# Allegro board pc053c_toplevel_01.brd (continued)
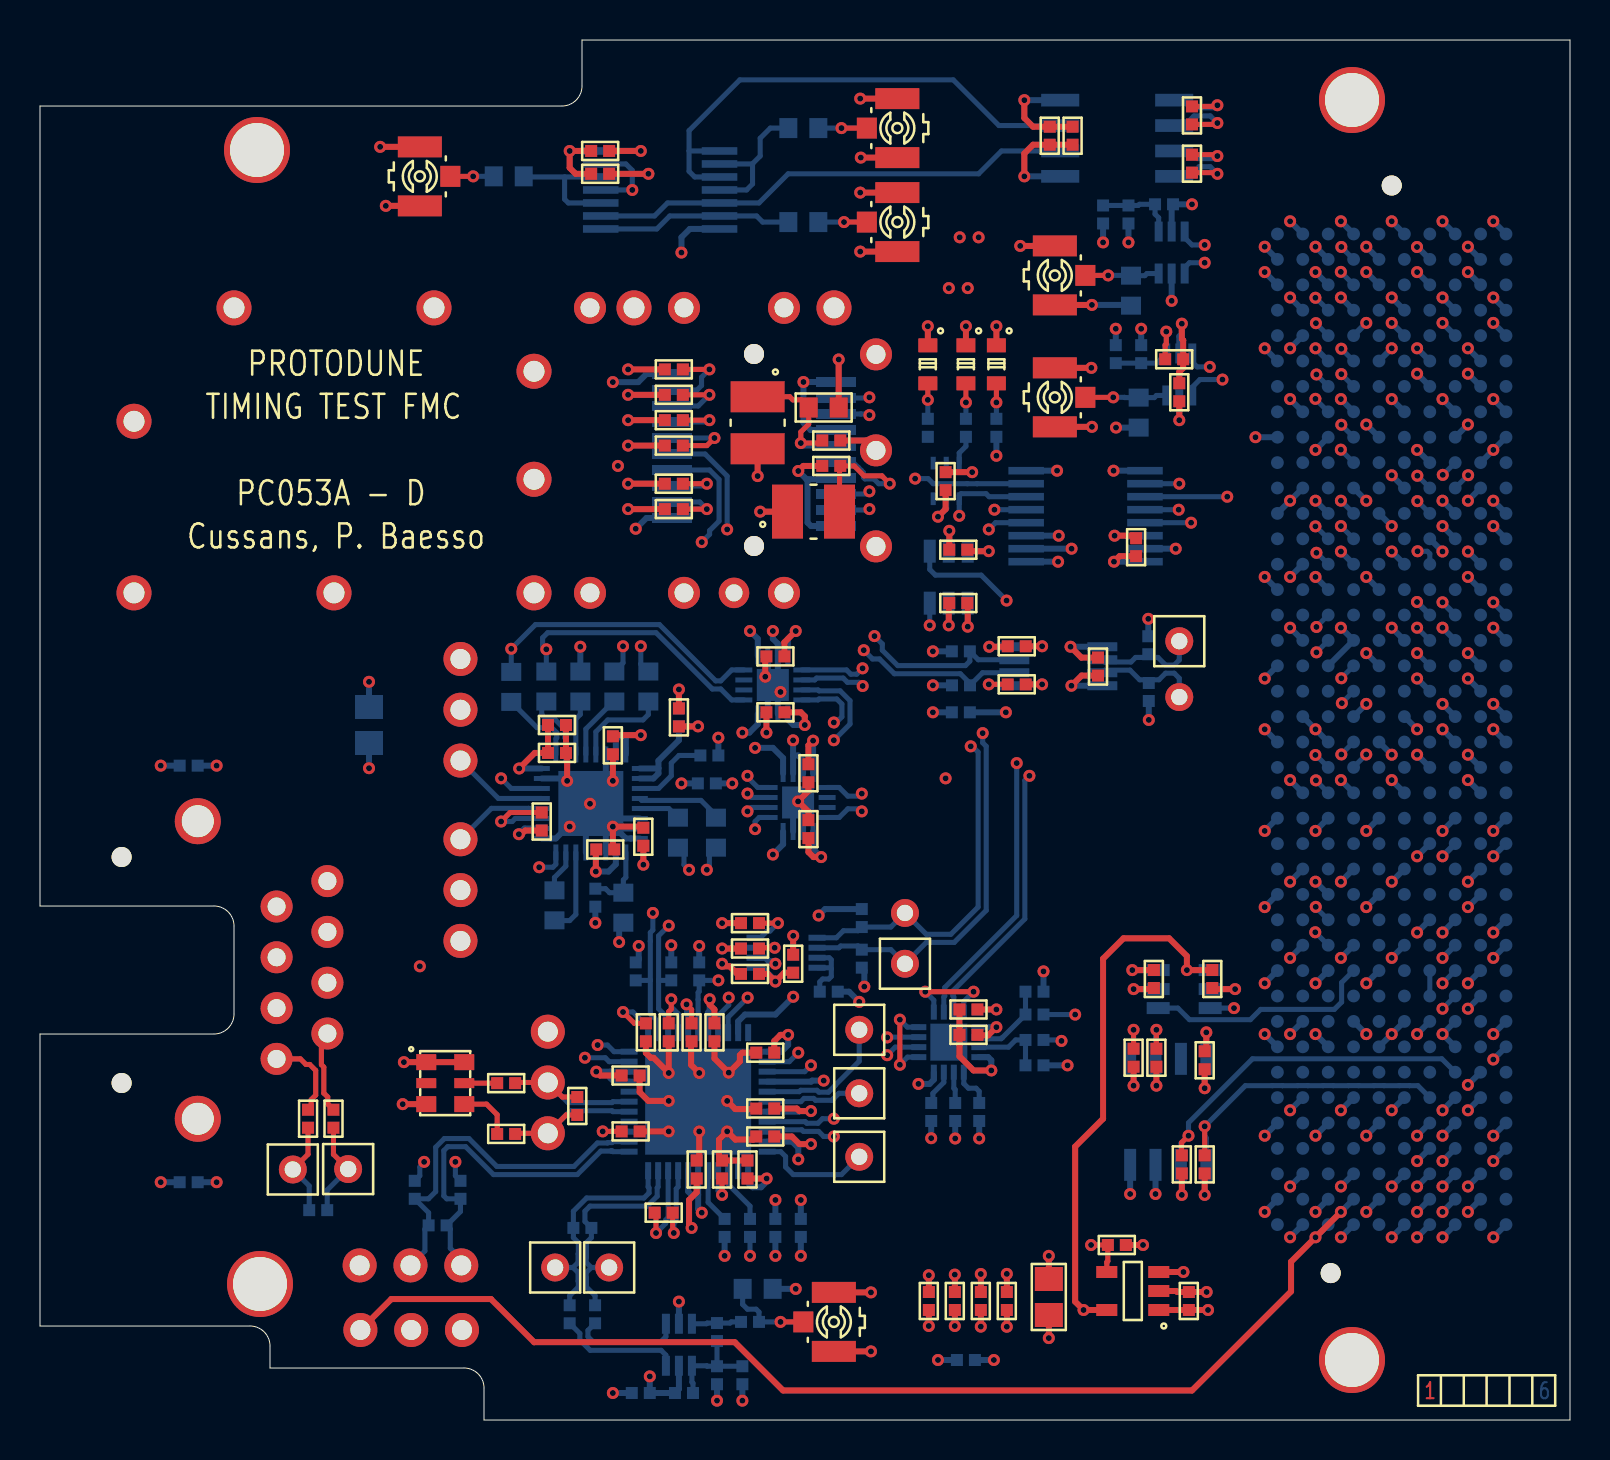
[diagram p0: board, top side]
## Routing (per net, layer and track width the routed paths; a pad name or vN(x,y) marks a point on that pad's centre or on a via; arc(x,y) is an arc through that point) (continued)
CLK_IN0_N: length 11.4
  BOTTOM w0.254: C26.2 26.48,6.22 26.92,6.65 26.92,6.94 26.9,6.95 26.9,7.37 26.65,7.62 ; 26.65,7.62 TP8.1 ; 26.65,7.62 26.9,7.88 26.9,8.3 26.92,8.31 26.92,8.87 26.67,9.12 R9.2 26.67,10.44 27.33,11.1 30.2,11.1 30.45,11.35 30.45,11.61 30.41,11.66 30.41,12.47
CLK_IN0_P: length 11.5
  BOTTOM w0.254: 27.56,7.62 27.31,7.37 27.31,7.12 27.32,7.11 27.32,6.65 27.75,6.22 C23.2 ; 27.56,7.62 27.31,7.88 27.31,8.13 27.32,8.14 27.32,8.87 27.57,9.12 R9.1 27.25,9.93 27.25,10.44 27.5,10.69 30.37,10.69 30.86,11.19 30.86,11.61 30.91,11.66 30.91,12.47 ; 27.56,7.62 TP7.1
CLK_IN1_N: length 18.4
  BOTTOM w0.254: IC4.2 28.64,13.92 28.6,13.87 28.39,13.87 28.37,13.85 27.87,13.85 26.7,12.68 22.84,12.68 21.45,14.07 20.22,14.07 19.78,13.64 19.78,11.42 19.42,11.06 18.74,11.06 19.43,10.37 R11.1 19.24,9.55 19.24,8.45 J3.2
CLK_IN1_P: length 17.5
  BOTTOM w0.254: J3.3 21.06,8.04 20.51,8.59 20.51,9.55 R11.2 21.02,10.42 21.02,11.06 20.34,11.06 20.19,11.21 20.19,13.47 20.39,13.67 21.28,13.67 22.67,12.27 26.86,12.27 28.04,13.45 28.54,13.45 28.56,13.46 28.6,13.46 28.64,13.42 IC4.1
CLK_IN2_N: length 25.5
  TOP w0.254: TP6.1 14.67,13.28 C28.2
  L3GND w0.127: v1(27.88,18.75) 27.57,19.06 27.04,19.06 26.22,18.24 22.67,18.24 17.34,12.91 17.34,11.26 16.58,10.49 15.82,10.49 15.41,10.9 TP6.1
  BOTTOM w0.254: R8.2 14.36,11.5 TP6.1 ; IC4.11 28.7,18.42 28.37,18.75 v1(27.88,18.75)
CLK_IN2_P: length 27.6
  TOP w0.254: TP5.1 13.4,13.29 C22.2
  L3GND w0.127: TP5.1 12.66,12.55 14.15,12.55 15.13,11.57 15.13,10.79 15.7,10.21 16.69,10.21 17.62,11.14 17.62,12.79 22.79,17.96 26.33,17.96 26.8,18.43 26.93,18.43 v1(27.25,18.11)
  BOTTOM w0.254: IC4.10 28.46,17.92 28.26,18.11 v1(27.25,18.11) ; TP5.1 13.46,11.71 R8.1
CLK_RST: length 33.5
  L3GND w0.127: v1(59.7,20.59) 57.9,22.4 57.9,22.7 57.61,22.99 57.31,22.99 56.21,24.08 39.69,24.08 37.02,21.41 36.26,21.41 35.7,21.98 v1(33.92,21.98)
  BOTTOM w0.254: v1(33.92,21.98) R16.1 32.96,21.43 32.9,21.37 32.9,21.02 32.9,20.05 32.91,20.05 IC4.17 ; IC16.3 v1(59.7,20.59)
CLK_SCL: length 13.9
  TOP w0.254: v1(36.73,23.61) 35.99,23.61 R41.2
  L3GND w0.127: v1(31.44,24.72) 32.86,24.72 33.49,24.08 36.26,24.08 v1(36.73,23.61)
  BOTTOM w0.254: IC4.14 31.41,20.08 30.93,20.56 30.93,21.98 ; 30.93,21.98 R14.1 ; 30.93,21.98 30.93,24.21 v1(31.44,24.72) ; IC1.3 v1(36.73,23.61)
CLK_SDA: length 16.2
  TOP w0.254: R40.2 v1(36.9,24.84)
  L3GND w0.127: v1(30.64,25.35) 31.69,25.35 32.07,24.97 32.96,24.97 33.6,24.34 36.39,24.34 v1(36.9,24.84)
  BOTTOM w0.254: 30.52,21.98 30.52,23.94 30.52,23.94 30.52,24.37 30.64,24.5 v1(30.64,25.35) ; 30.52,21.98 R15.1 ; 30.52,21.98 30.52,20.3 30.91,19.91 IC4.13 ; v1(36.9,24.84) 36.5,24.44 36.35,24.44 36.02,24.11 IC1.4
CTRLVCC: length 0.9
  BOTTOM w0.3: P1.D32 v1(68.85,19.3)
CVCC: length 87
  TOP w0.3: v1(54.61,22.5) 55.69,22.5 C67.2 ; C61.2 53.97,43.19 v1(53.7,42.91) ; v1(65.04,10.41) v1(63.77,9.13) 62.55,7.91 62.55,6.43 57.6,1.48 37.15,1.48 34.74,3.89 24.71,3.89 22.55,6.05 17.57,6.05 J8.3 ; R103.2 v1(55.82,16.72) ; C68.2 46.44,43.44 v1(47.44,43.44) ; C16.2 52.07,38.12 v1(51.53,38.66) ; C18.2 58.32,18.52 v1(58.32,19.38) ; R39.2 v1(54.68,16.72) ; v1(34.1,22.81) 34.23,22.68 34.48,22.68 34.87,22.3 C17.2 ; R138.2 v1(57.09,11.26) ; R42.2 v1(50.11,36.78) ; R1328.2 v1(58.23,11.26)
  BOTTOM w0.3: v1(38.93,25.23) 39.25,25.55 R242.2 ; 49.31,44.22 v1(50.93,44.22) ; IC16.6 v1(54.61,22.5) ; R1.2 40.45,21.41 v1(40.96,20.91) ; P1.G39 v1(65.04,10.41) ; v1(41.22,21.67) 41.22,22.49 R43.2 ; IC10.16 v1(53.7,42.91) ; IC14.6 v1(47.44,43.44) ; R142.2 v1(55.44,35) ; IC10.2 v1(51.58,43.56) ; P1.H40 v1(63.77,9.13) ; IC15.1 v1(51.53,38.66) ; IC2.8 v1(58.32,19.38) ; R143.2 v1(55.41,40.06)
F_CDR_CLK_N: length 4
  BOTTOM w0.254: IC12.25 25.79,34.06 25.84,34.11 25.84,34.36 25.58,34.62 24.85,34.62 R55.1
F_CDR_CLK_P: length 3.5
  BOTTOM w0.254: IC12.26 26.29,34.06 26.24,34.11 26.24,34.53 25.75,35.02 25.34,35.02 25.09,35.28 25.09,35.69 R54.1
F_CDR_D_N: length 1.4
  BOTTOM w0.254: v1(29.15,38.69) 29.15,37.86 R53.2
F_CDR_D_P: length 1.4
  BOTTOM w0.254: R52.2 30.04,37.8 v1(30.04,38.69)
F_FMC_CLK_N: length 92.5
  TOP w0.254: v1(30.8,9.35) 30.8,10.3 R18.1
  L3GND w0.127: v1(65.07,52.29) 64.57,52.79 60.12,52.79 59.22,53.68 59.22,54.57 55.96,57.84 46.84,57.84 46.05,57.05 46.05,56.93 v1(46.39,56.59)
  INNER4 w0.127: v1(30.8,9.35) 30.8,9.8 31.11,10.1 31.11,12.84 32.05,13.78 32.05,17.85 34.5,20.3 38.18,20.3 38.78,20.9 38.78,22.42 40.81,24.45 40.81,27.9 39.41,29.3 39.41,32.2 40.06,32.84 40.79,32.84 41.23,33.28 41.23,34.59 38.65,37.17 38.63,37.2 38.63,43.17 36.75,45.05 36.75,49.34 39.67,52.26 39.67,52.6 39.44,52.82 39.44,53.23 39.73,53.52 39.78,53.52 43.89,57.63 45.59,57.63 46.05,57.17 46.05,56.93 v1(46.39,56.59)
  BOTTOM w0.254: 31.41,12.47 31.41,10.12 31.28,10 31.28,9.83 v1(30.8,9.35) ; P1.G7 v1(65.07,52.29)
F_FMC_CLK_P: length 92
  TOP w0.254: v1(31.69,9.35) 31.63,9.41 R18.2
  L3GND w0.127: v1(45.44,56.59) 45.78,56.93 45.78,57.17 46.72,58.12 56.07,58.12 59.5,54.69 59.5,53.8 60.24,53.07 64.57,53.07 v1(65.07,53.56)
  INNER4 w0.127: v1(45.44,56.59) 45.78,56.93 45.78,57.05 45.47,57.36 44.01,57.36 40.15,53.5 40.42,53.23 40.42,52.82 40.14,52.54 39.95,52.54 39.95,52.15 37.02,49.23 37.02,45.16 38.9,43.28 38.9,37.31 41.51,34.71 41.51,33.17 40.91,32.57 40.17,32.57 39.69,32.08 39.69,29.42 41.09,28.02 41.09,24.34 39.06,22.3 39.06,20.78 38.29,20.02 34.61,20.02 32.33,17.73 32.33,13.67 31.39,12.73 31.39,10.1 31.69,9.8 v1(31.69,9.35)
  BOTTOM w0.254: v1(31.69,9.35) 31.69,9.83 31.81,9.95 31.81,11.56 31.91,11.66 31.91,12.47 ; P1.G6 v1(65.07,53.56)
F_GPIO_OUT0_N: length 23.9
  TOP w0.254: R45.1 58.81,62.37 v1(58.87,62.31)
  INNER4 w0.127: v1(58.87,62.31) 59.32,62.31 59.62,62.61 59.69,62.61 60.37,61.94 60.37,60.52 59.48,59.63 59.48,52.36 62.84,49 64.79,49 64.91,48.87 64.91,48.64 v1(65.04,48.52)
  BOTTOM w0.254: v1(65.04,48.52) 65.04,48.51 P1.G10 ; v1(58.87,62.31) 58.51,62.66 57.95,62.66 57.47,62.18 IC8.4
F_GPIO_OUT0_P: length 23.7
  TOP w0.254: v1(58.87,63.2) 58.8,63.27 R45.2
  INNER4 w0.127: v1(65.07,49.76) 65.04,49.76 64.91,49.63 64.91,49.41 64.79,49.28 62.95,49.28 59.76,52.48 59.76,59.52 60.65,60.4 60.65,62.05 59.81,62.89 59.62,62.89 59.32,63.2 v1(58.87,63.2)
  BOTTOM w0.254: IC8.3 57.47,63.45 57.85,63.07 58.74,63.07 v1(58.87,63.2) ; P1.G9 65.07,49.75 v1(65.07,49.76)
F_GPIO_OUT1_N: length 25.6
  TOP w0.254: R46.1 58.81,65.68 v1(58.87,65.74)
  INNER4 w0.127: v1(58.87,65.74) 58.23,65.74 57.47,64.98 57.47,64.34 57.85,63.96 59.63,63.96 61.28,62.31 61.28,60.28 60.27,59.26 60.27,53.04 61.03,52.28 62.3,52.28 63.02,51.55 63.19,51.55 63.32,51.55 v1(63.77,51.06)
  BOTTOM w0.254: P1.H8 63.77,51.05 v1(63.77,51.06) ; IC8.1 57.34,65.99 57.73,65.61 58.74,65.61 v1(58.87,65.74)
F_GPIO_OUT1_P: length 24.8
  TOP w0.254: v1(58.87,64.85) 58.8,64.78 R46.2
  INNER4 w0.127: v1(63.82,52.28) 63.33,51.83 63.2,51.83 63.14,51.83 62.41,52.55 61.14,52.55 60.54,53.15 60.54,59.15 61.56,60.16 61.56,62.42 59.75,64.24 57.97,64.24 57.75,64.46 57.75,64.86 58.11,65.22 58.49,65.22 v1(58.87,64.85)
  BOTTOM w0.254: v1(63.82,52.28) 63.82,52.27 P1.H7 ; IC8.2 57.22,64.72 57.7,65.2 58.51,65.2 v1(58.87,64.85)
F_MCX_CLK_N: length 6.2
  BOTTOM w0.254: IC5.6 31.29,3.24 31.06,3.48 27.51,3.48 26.99,4 26.99,4.33 C26.1
F_MCX_CLK_P: length 5.6
  BOTTOM w0.254: IC5.1 31.29,4.17 31.02,3.89 27.68,3.89 27.4,4.17 27.4,4.48 C23.1
F_RJ45_CLK_N: length 4.2
  TOP w0.254: 14.67,15.52 14.67,15.52 14.39,15.79 14.39,16.15 14.19,16.34 14.19,17.65 14.07,17.77 14.07,19.03 J1.2
F_RJ45_CLK_P: length 4.3
  TOP w0.254: 13.4,15.52 13.56,15.67 13.56,16.02 13.78,16.24 13.78,17.48 13.49,17.78 13.3,17.78 13.02,18.05 J1.1
F_RJ45_D_N: length 65.2
  L3GND w0.127: J1.5 10.1,24.86 10.1,28.02 12.89,30.81 23.94,30.81 25.85,32.72 47.44,32.72 48.2,33.48 59.12,33.48 61.97,36.33 64.81,36.33 64.94,36.2 64.94,35.97 65.07,35.84 v1(65.09,35.84)
  BOTTOM w0.254: P1.G19 65.08,35.84 v1(65.09,35.84)
F_RJ45_D_P: length 69.7
  L3GND w0.127: v1(65.07,37.09) 64.94,36.96 64.94,36.73 64.81,36.6 61.85,36.6 59.01,33.76 48.09,33.76 47.32,33 25.73,33 23.83,31.09 12.78,31.09 9.82,28.13 9.82,23.74 11.7,21.86 J1.4
  BOTTOM w0.254: P1.G18 65.06,37.09 v1(65.07,37.09)
F_SFP_N: length 28.3
  INNER4 w0.127: v1(41.47,51.13) 41.02,51.13 40.72,50.83 40.48,50.83 40.07,50.43 40.07,49.61 39.69,49.23 39.69,42.24 42.36,39.58 42.36,33.48 41.09,32.21 40.45,32.21 40.07,31.83 40.07,31.6 40.71,30.96 40.71,30.81 v1(41.09,30.43)
  BOTTOM w0.254: J4.12 41.44,51.1 v1(41.47,51.13) ; IC13.4 39.96,30.13 40.39,30.56 40.96,30.56 v1(41.09,30.43)
F_SFP_P: length 27.1
  INNER4 w0.127: v1(41.09,31.32) 40.74,31.32 40.67,31.4 40.35,31.71 40.57,31.93 41.2,31.93 42.64,33.36 42.64,39.69 39.97,42.36 39.97,49.11 40.35,49.49 40.35,50.31 40.59,50.55 40.72,50.55 41.02,50.24 v1(41.47,50.24)
  BOTTOM w0.254: J4.13 41.04,50.3 41.41,50.3 v1(41.47,50.24) ; v1(41.09,31.32) 40.96,31.19 40.39,31.19 39.96,31.63 IC13.1
FMC_DI_N: length 0.9
  BOTTOM w0.254: P1.H23 63.8,31.97 v1(63.8,31.98)
FMC_DI_P: length 0.9
  BOTTOM w0.254: P1.H22 63.79,33.25 v1(63.77,33.25)
FMC_GA0: length 18.3
  TOP w0.254: R138.1 57.08,13.24 57.08,13.87 v1(57.42,14.21)
  BOTTOM w0.254: IC2.2 57.05,13.84 v1(57.42,14.21) 57.42,14.86 60.62,18.06 70.09,18.06 P1.C34
FMC_GA1: length 15.8
  TOP w0.254: R1328.1 v1(58.23,14.68)
  BOTTOM w0.254: P1.D35 68.89,16.72 68.47,16.72 68.47,16.72 67.97,16.72 67.97,16.72 67.2,16.72 67.2,16.72 66.7,16.72 66.7,16.72 65.93,16.72 65.93,16.72 65.43,16.72 65.43,16.72 64.66,16.72 64.66,16.72 64.16,16.72 64.16,16.72 63.39,16.72 63.39,16.72 62.89,16.72 62.89,16.72 62.12,16.72 62.12,16.72 61.62,16.72 61.62,16.72 60.27,16.72 v1(58.23,14.68) 58.23,14.18 58.32,14.09 IC2.1
FMC_LA07_N: length 18.6
  INNER4 w0.127: TP2.1 59.38,38.56 59.38,42.24 60.99,43.86 63.15,43.86 63.28,43.86 v1(63.82,43.36)
  BOTTOM w0.254: IC15.3 53.25,37.49 54.5,37.49 54.98,37.01 55.28,37.01 R142.1 55.6,37.01 55.95,37.01 56.28,37.34 56.71,37.34 56.96,37.09 TP2.1 ; P1.H14 63.84,43.36 v1(63.82,43.36)
FMC_LA07_P: length 18.9
  INNER4 w0.127: TP4.1 56.96,38.43 57.66,37.74 58.16,37.74 59.1,38.68 59.1,42.36 60.87,44.14 63.15,44.14 63.27,44.14 v1(63.77,44.68)
  BOTTOM w0.254: TP4.1 56.96,38 56.71,37.75 56.28,37.75 55.9,38.13 55.57,38.13 R143.1 55.25,38.13 54.78,38.13 54.55,37.9 53.23,37.9 53.11,38.01 ; P1.H13 63.79,44.68 v1(63.77,44.68)
FMC_LA11_N: length 38.3
  L3GND w0.127: v1(46.54,33.68) 46.71,33.85 47.34,33.85 47.6,34.11 52.65,34.11 56.2,37.67 61.79,37.67 63,38.88 63.33,38.88 v1(63.82,38.38)
  BOTTOM w0.254: v1(46.54,33.68) 46.62,33.68 46.91,33.4 46.91,25.65 45.54,24.29 44.31,24.29 TP1.1 42.54,24.65 R242.1 40.9,24.46 40.17,24.46 39.82,24.11 38.85,24.11 ; v1(63.82,38.38) 64.41,38.97 P1.H17
FMC_LA11_P: length 38.6
  L3GND w0.127: v1(63.82,39.65) 63.33,39.16 62.88,39.16 61.67,37.95 56.09,37.95 52.53,34.39 47.18,34.39 v1(47.13,34.34)
  BOTTOM w0.254: v1(63.82,39.65) 63.82,39.66 P1.H16 ; v1(47.13,34.34) 47.13,33.86 47.31,33.68 47.31,25.48 45.71,23.88 44.31,23.88 TP3.1 42.54,23.52 R43.1 40.9,23.7 40.03,23.7 39.95,23.61 38.85,23.61
FMC_SCL: length 60.3
  TOP w0.254: v1(55.82,19.51) 55.82,18.56
  L3GND w0.127: v1(70.12,21.84) 69.58,21.29 61.56,21.29 58.76,18.49 56.1,18.49 55.82,18.77 v1(55.82,19.51) 55.31,20.02 54.93,20.02 54.91,20 54.47,20 54.19,19.71 54.19,19.27 50.61,15.7 43.37,15.7 41.47,17.61 39.95,17.61 37.66,19.89 30.93,19.89 28.26,22.56 22.42,22.56 J5.3
  BOTTOM w0.254: IC2.6 55.78,19.46 v1(55.82,19.51) ; P1.C30 v1(70.12,21.84)
FMC_SDA: length 77.7
  TOP w0.254: 54.68,18.56 v1(54.68,19.51)
  L3GND w0.127: v1(18.99,22.68) 19.75,21.92 26.86,21.92 29.53,19.26 35.25,19.26 38.42,16.08 39.56,16.08 40.33,15.32 50.98,15.32 54.68,19.02 v1(54.68,19.51) 55.95,18.24 58.87,18.24 61.66,21.03 69.66,21.03 v1(70.12,20.57)
  INNER4 w0.127: J6.3 18.99,36.02 v1(18.99,22.68)
  BOTTOM w0.254: P1.C31 v1(70.12,20.57) ; v1(54.68,19.51) 54.68,18.23 IC2.5
FPGA_CDR_LOL: length 11.1
  L3GND w0.127: v1(59.36,46.16) 59.76,46.56 64.45,46.56 v1(65.04,45.97)
  BOTTOM w0.254: IC10.11 v1(59.36,46.16) ; P1.G12 v1(65.04,45.97)
FPGA_CDR_LOS: length 11.6
  L3GND w0.127: v1(56.96,46.81) 57.6,46.81 59.12,45.29 64.45,45.29 v1(65.04,44.7)
  BOTTOM w0.254: v1(56.96,46.81) IC10.10 ; P1.G13 v1(65.04,44.7)
FPGA_CLK_RST: length 11.6
  BOTTOM w0.254: P1.G30 65.08,21.87 65.08,20.9 64.71,20.53 61.03,20.53 60.52,20.02 57.47,20.02 56.89,20.59 IC16.4
FPGA_SFP_LOS: length 15.7
  L3GND w0.127: v1(56.93,45.52) 57.85,45.52 59.33,44.03 68.28,44.03 v1(68.88,43.44)
  BOTTOM w0.254: P1.D14 69.49,43.31 69.37,43.44 v1(68.88,43.44) ; IC10.12 v1(56.93,45.52)
FPGA_SFP_TX_DIS: length 27.4
  L3GND w0.127: v1(68.85,39.62) 67.5,40.97 v1(48.33,40.97)
  BOTTOM w0.254: IC14.4 44.49,42.53 44.77,42.24 47.06,42.24 v1(48.33,40.97) ; P1.D17 v1(68.85,39.62)
FPGA_SFP_TX_FLT: length 19.9
  L3GND w0.127: v1(57.55,44.87) 59.55,42.87 64.34,42.87 65.73,41.48 69.28,41.48 69.54,41.23 69.54,39.03 v1(68.85,38.34)
  BOTTOM w0.254: IC10.13 v1(57.55,44.87) ; P1.D18 v1(68.85,38.34)
GPIO_IN0_N: length 21.9
  L3GND w0.127: v1(58.23,58.75) 58.68,58.75 58.99,58.45 59.43,58.45 60.01,57.86 60.01,56.85 61.24,55.62 64.41,55.62 70.91,49.12 70.91,47.51 71.04,47.38 71.28,47.38 71.41,47.26 v1(71.41,47.24)
  BOTTOM w0.254: v1(58.23,58.75) 57.6,58.75 57.23,59.12 IC6.6 ; P1.C11 71.41,47.25 v1(71.41,47.24)
GPIO_IN0_P: length 21.3
  L3GND w0.127: v1(70.14,47.26) 70.27,47.38 70.51,47.38 70.63,47.51 70.63,49.01 64.3,55.34 61.12,55.34 59.73,56.73 59.73,57.75 59.31,58.17 58.99,58.17 58.68,57.86 v1(58.23,57.86)
  BOTTOM w0.254: v1(58.23,57.86) 57.47,57.86 57.23,57.62 IC6.1 ; P1.C10 70.14,47.25 v1(70.14,47.26)
GPIO_IN1_N: length 17.9
  L3GND w0.127: v1(68.87,45.94) 68.37,46.44 66.87,46.44 65.98,47.32 60.27,47.32 58,49.59 58,51.73 58.17,51.9 58.17,52.34 v1(58.49,52.66)
  BOTTOM w0.254: P1.D12 68.88,45.94 v1(68.87,45.94) ; IC7.6 57.61,52.9 57.85,52.66 v1(58.49,52.66)
GPIO_IN1_P: length 17.9
  L3GND w0.127: v1(68.87,47.21) 68.37,46.72 66.98,46.72 66.1,47.6 60.38,47.6 58.28,49.7 58.28,51.62 58.37,51.71 58.81,51.71 v1(59.12,52.02)
  BOTTOM w0.254: IC7.1 57.61,51.64 57.99,52.02 v1(59.12,52.02) ; v1(68.87,47.21) 68.89,47.2 P1.D11
IN_N: length 4.3
  BOTTOM w0.254: IC12.4 30.09,30.98 33.05,30.98 33.8,30.23 C44.2
IN_P: length 2.1
  BOTTOM w0.254: C43.2 31.44,30.57 29.99,30.57 IC12.5
IN_SEL0: length 2.3
  TOP w0.254: R17.2 v1(28.13,14.43)
  BOTTOM w0.254: IC4.3 29.44,14.43 v1(28.13,14.43)
IN_SEL1: length 2.1
  TOP w0.254: R19.2 v1(34.1,11.26)
  BOTTOM w0.254: v1(34.1,11.26) 33.91,11.45 33.91,12.47
OSC_CLK_N: length 7.9
  TOP w0.254: C25.2 23.79,16.88 J2.2 26.12,16.15 R7.2
  BOTTOM w0.254: IC4.6 28.64,15.92 28.6,15.87 26.4,15.87 J2.2
OSC_CLK_P: length 8
  TOP w0.254: C21.2 23.79,14.34 J2.3 26.3,15.25 R7.1
  BOTTOM w0.254: J2.3 26.52,15.46 28.6,15.46 28.64,15.42 IC4.5
REC_CLK_N: length 43.3
  INNER4 w0.127: v1(39.69,33.99) 40.14,33.99 40.44,34.29 40.57,34.29 40.7,34.17 40.7,33.5 40.57,33.38 39.58,33.38 38.65,32.45 38.65,29.15 36.02,26.52 27.38,26.52 19.73,18.86 19.73,13.17 19.74,13.16 19.74,13.03 19.61,12.91 v1(19.2,12.91)
  BOTTOM w0.254: C27.1 18.99,12.21 18.99,12.65 19.2,12.87 v1(19.2,12.91) ; IC17.11 38.9,36.5 38.95,36.46 40.01,36.46 40.5,35.96 40.5,34.8 v1(39.69,33.99)
REC_CLK_P: length 42.1
  INNER4 w0.127: v1(39.69,34.88) 40.14,34.88 40.44,34.57 40.69,34.57 40.98,34.28 40.98,33.39 40.69,33.1 39.69,33.1 38.93,32.34 38.93,29.04 36.14,26.24 27.5,26.24 20.01,18.75 20.01,13.29 20.39,12.91 v1(20.77,12.91)
  BOTTOM w0.254: v1(39.69,34.88) 39.82,34.88 40.09,35.16 40.09,35.8 39.84,36.05 38.95,36.05 38.9,36 IC17.12 ; v1(20.77,12.91) 20.77,12.21 C24.1
S_CLK_IN: length 4.5
  TOP w0.254: PX1.1 v1(37.02,4.91)
  BOTTOM w0.254: R27.2 35.13,5.78 35.37,5.54 35.81,5.54 35.95,5.4 C50.1 v1(37.02,4.91)
S_GPIO_IN0: length 3.7
  TOP w0.254: PX2.1 v1(53.41,57.23)
  BOTTOM w0.254: IC6.3 55.35,57.32 55.24,57.22 R30.2 54.54,57.23 v1(53.41,57.23)
S_GPIO_IN1: length 4.1
  TOP w0.254: PX3.1 v1(53.66,51.13)
  BOTTOM w0.254: IC7.3 55.82,51.23 55.72,51.12 R31.2 54.24,51.12 54.23,51.13 v1(53.66,51.13)
SFP_LOS: length 21.6
  TOP w0.254: 32.14,51.26 v1(33.47,51.26)
  L3GND w0.127: v1(47.72,45.52) 47.23,45.52 43.14,49.61 37.28,49.61 35.63,51.26 v1(33.47,51.26)
  BOTTOM w0.254: J4.8 32.91,50.7 v1(33.47,51.26) ; IC10.5 v1(47.72,45.52)
SFP_SCL: length 52
  L3GND w0.127: v1(41.72,39.2) 38.29,42.62 35.23,42.62 34.01,43.84 34.01,44.18 v1(34.36,44.53)
  INNER4 w0.127: v1(34.36,44.53) 34.01,44.18 34.01,43.93 33.34,43.26 32.07,43.26 28.13,39.32 28.13,35.03 24.05,30.94 22.93,30.94 J5.1
  BOTTOM w0.254: J4.5 33.25,48.3 34.36,47.2 v1(34.36,44.53) ; IC12.20 24.44,30.58 24.43,30.58 22.57,30.58 J5.1 ; v1(41.72,39.2) 42.12,38.8 42.12,38.49 42.89,37.72 46.27,37.72 46.49,37.94 R411.2 46.91,38.01 48.71,38.01
SFP_SDA: length 50.9
  L3GND w0.127: v1(33.09,43.89) 33.6,43.89 35.12,42.37 38.19,42.37 41.23,39.33 41.23,39.03 41.19,38.98 v1(41.19,38.49)
  INNER4 w0.127: v1(33.09,43.89) 32.71,43.51 31.97,43.51 27.88,39.43 27.88,35.13 23.94,31.19 22.8,31.19 J6.1
  BOTTOM w0.254: IC15.6 47.13,37.36 R140.2 46.5,36.83 46.02,37.31 42.72,37.31 41.98,38.05 41.63,38.05 v1(41.19,38.49) ; v1(33.09,43.89) 33.48,44.29 33.48,44.47 33.95,44.94 33.95,47.03 33.48,47.5 J4.4 ; IC12.21 22.92,31.08 J6.1
SFP_TX_DISABLE: length 20.7
  TOP w0.254: v1(33.34,46.81) 32.14,46.81
  L3GND w0.127: v1(33.34,46.81) 32.45,45.93 32.45,45.16 32.71,44.91 33.6,44.91 33.98,45.29 34.87,45.29 35.49,44.67 37.9,44.67 42.84,39.73 v1(44.49,39.73)
  BOTTOM w0.254: IC14.3 v1(44.49,39.73) ; v1(33.34,46.81) 33.23,46.7 J4.3
SFP_TX_FAULT: length 20.9
  TOP w0.254: 32.14,45.55 v1(33.34,45.55)
  L3GND w0.127: v1(33.34,45.55) 33.98,46.18 38.17,46.18 39.31,45.04 42.74,45.04 43.63,45.93 46.04,45.93 v1(47.44,44.53)
  BOTTOM w0.254: IC10.4 47.77,44.87 v1(47.44,44.53) ; J4.2 32.99,45.9 v1(33.34,45.55)
SY5860_IN_N: length 14.7
  BOTTOM w0.254: R55.2 v1(23.56,38.56) 24.77,39.77 30.97,39.77 33.79,36.96 34.04,36.96 34.59,37.5 IC17.4
SY5860_IN_P: length 13.3
  BOTTOM w0.254: IC17.1 34.59,36 34.04,36.55 33.62,36.55 30.8,39.37 25.38,39.37 25.13,39.11 25.13,38.72 v1(25.32,38.53) R54.2
T_CDR_N: length 7
  L3GND w0.127: v1(35.75,29.54) 35.3,29.72 35.19,29.67 35.1,29.59 33.77,29.59 33.04,28.86 33.04,28.26 33.34,27.96 v1(33.34,27.51)
  BOTTOM w0.254: v1(33.34,27.51) 33.47,27.64 33.47,28.29 C44.1 ; IC13.9 35.96,30.13 35.75,29.92 v1(35.75,29.54)
T_CDR_P: length 7.4
  L3GND w0.127: v1(35.37,30.43) 35.19,29.98 35.03,29.91 34.99,29.87 33.66,29.87 32.76,28.97 32.76,28.26 32.45,27.96 v1(32.45,27.51)
  BOTTOM w0.254: v1(32.45,27.51) 32.2,27.77 32.2,28.32 C43.1 ; v1(35.37,30.43) 35.57,30.63 IC13.10
T_FFD_CLK_N: length 13.1
  L3GND w0.127: v1(34.44,21.12) 34.77,20.78 34.77,20.54 35.04,20.27 38.17,20.27 40.37,18.07 41.68,18.07 41.85,18.24 v1(42.36,18.24)
  BOTTOM w0.254: v1(42.36,18.24) 42.76,18.64 IC3.2 ; IC4.19 33.91,20.22 34.44,20.75 v1(34.44,21.12)
T_FFD_CLK_P: length 13
  L3GND w0.127: v1(42.36,19.13) 41.85,18.62 41.85,18.57 41.8,18.52 41.74,18.52 41.56,18.35 40.49,18.35 38.28,20.55 35.15,20.55 35.05,20.66 35.05,20.78 v1(35.38,21.12)
  BOTTOM w0.254: IC4.20 34.41,20.14 v1(35.38,21.12) ; IC3.3 42.56,19.14 42.55,19.13 v1(42.36,19.13)
T_FFD_D_N: length 34.7
  L3GND w0.127: v1(48.84,32.84) 49.88,32.84 50.11,32.62 60.28,32.62 63.07,35.41 64.57,35.41 66.31,33.67 v1(66.31,33.28)
  BOTTOM w0.254: P1.G22 65.68,32.65 v1(66.31,33.28) ; IC3.6 45.19,21.15 45.24,21.2 45.24,21.62 48.84,25.22 v1(48.84,32.84)
T_FFD_D_P: length 32.9
  L3GND w0.127: v1(65.07,33.28) 65.47,33.68 65.47,34.11 64.46,35.13 63.19,35.13 60.39,32.34 50.11,32.34 49.98,32.21 v1(49.47,32.21)
  BOTTOM w0.254: P1.G21 65.07,33.29 v1(65.07,33.28) ; v1(49.47,32.21) 49.24,31.98 49.24,25.05 45.64,21.46 45.64,21.2 45.69,21.15 IC3.7
T_FMC_CLK_N: length 74.1
  INNER4 w0.127: v1(63.8,54.84) 63.8,55.02 64.08,55.3 64.34,55.3 66.08,53.56 66.08,51.14 66.97,50.26 66.97,48.71 65.74,47.48 60.25,47.48 59.11,48.62 52,48.62 50.48,50.14 43.51,50.14 43.13,49.76 41.68,49.76 41.67,49.75 41.09,49.75 40.3,48.96 40.3,42.64 43.1,39.84 43.1,28.9 41.7,27.5 41.7,23.82 39.41,21.53 39.41,19.43 38.67,18.68 38.23,18.68 v1(37.91,18.37)
  BOTTOM w0.254: v1(63.8,54.84) 63.84,54.79 P1.H5 ; v1(37.91,18.37) 37.46,17.92 IC4.24
T_FMC_CLK_P: length 75.4
  INNER4 w0.127: v1(63.77,56.11) 64.08,55.81 64.08,55.7 64.2,55.58 64.46,55.58 66.36,53.67 66.36,51.26 67.25,50.37 67.25,48.59 65.85,47.2 60.14,47.2 59,48.34 51.88,48.34 50.36,49.86 43.63,49.86 43.25,49.48 41.8,49.48 41.79,49.47 41.21,49.47 40.58,48.85 40.58,42.75 43.37,39.96 43.37,28.78 41.98,27.38 41.98,23.7 39.69,21.41 39.69,19.31 38.86,18.49 38.86,18.05 v1(38.55,17.73)
  BOTTOM w0.254: IC4.25 38.23,17.42 v1(38.55,17.73) ; v1(63.77,56.11) 63.79,56.11 P1.H4
T_FMC_N: length 1.2
  BOTTOM w0.254: v1(35.37,31.32) 35.57,31.13 IC13.11
T_FMC_P: length 1.4
  BOTTOM w0.254: IC13.12 35.89,31.63 35.37,32.14 v1(35.37,32.21)
T_FMC_REC_CLK_N: length 56.1
  L3GND w0.127: v1(65.04,57.41) 64.56,57.89 63.03,57.89 61.15,59.77 46.77,59.77 46.6,59.59 46.6,59.47 v1(46.93,59.13)
  INNER4 w0.127: v1(46.93,59.13) 46.6,58.8 46.6,58.07 48.96,55.7 48.96,54.05 46.68,51.77 40.58,51.77 39.44,50.62 39.44,38.09 40.25,37.28 40.38,37.28 40.68,37.58 v1(41.13,37.58)
  BOTTOM w0.254: IC17.9 40.33,37.5 40.54,37.29 40.83,37.29 v1(41.13,37.58) ; v1(65.04,57.41) 65.04,57.4 P1.G3
T_FMC_REC_CLK_P: length 57
  L3GND w0.127: v1(65.07,58.65) 65.04,58.65 64.56,58.17 63.15,58.17 61.27,60.05 46.66,60.05 46.32,59.71 46.32,59.47 v1(45.99,59.13)
  INNER4 w0.127: v1(41.13,36.7) 40.69,36.7 40.38,37 40.14,37 39.16,37.98 39.16,50.74 40.47,52.05 46.56,52.05 48.68,54.17 48.68,55.59 46.32,57.95 46.32,58.8 v1(45.99,59.13)
  BOTTOM w0.254: v1(41.13,36.7) 40.95,36.88 40.37,36.88 40.16,37.1 38.83,37.1 38.73,37 IC17.10 ; P1.G2 65.28,58.43 65.27,58.45 v1(65.07,58.65)
T_MCX_CLK: length 83.3
  INNER4 w0.127: v1(29.61,61.5) 29.61,58.34 31.06,56.9 31.06,50.75 34.99,46.81 34.99,44.36 33.6,42.96 33.6,39.45 27.37,33.23 27.37,31.83 25.72,30.18 25.72,25.99 19.37,19.64 19.37,15.32 18.23,14.18 18.23,11.76 18.99,11 27.37,11 29.79,8.59 32.33,8.59 32.83,9.1 34.61,9.1 v1(35.5,8.21)
  BOTTOM w0.254: R26.2 v1(35.5,8.21) ; IC9.11 v1(29.61,61.5) 29.61,62.48 29.29,62.8 IC9.13
T_RJ45_CLK_N: length 33.4
  L3GND w0.127: J1.6 17.46,21.31 26.85,21.31 29.52,18.65 34.73,18.65 36.29,17.09 36.29,16.2 37.72,14.76 38.94,14.76 39.25,15.06 v1(39.69,15.06)
  BOTTOM w0.254: IC4.30 38.26,14.92 38.34,14.84 38.9,14.84 39.12,15.06 v1(39.69,15.06)
T_RJ45_CLK_P: length 35.1
  L3GND w0.127: v1(39.69,14.18) 39.25,14.18 38.94,14.48 37.61,14.48 36.01,16.08 36.01,16.97 34.61,18.37 29.4,18.37 26.74,21.03 14.94,21.03 14.78,20.87 13.96,20.87 13.8,21.03 12.27,21.03 J1.3
  BOTTOM w0.254: v1(39.69,14.18) 39.18,14.18 38.93,14.43 38.17,14.43 38.09,14.51 37.09,14.51 37,14.42 IC4.31
T_RJ45_D_N: length 57.7
  L3GND w0.127: J1.8 13.34,26.43 13.17,26.49 13.11,26.6 13.11,27.73 13.78,28.4 16.96,28.4 17.72,27.64 22.42,27.64 24.07,25.99 41.47,25.99 42.99,27.51 55.82,27.51 58.87,24.46 62.72,24.46 63.14,24.88 63.27,24.88 v1(63.76,24.39)
  BOTTOM w0.254: v1(63.76,24.39) P1.H29
T_RJ45_D_P: length 58.3
  L3GND w0.127: v1(63.79,25.66) 63.76,25.66 63.27,25.16 63.03,25.16 62.61,24.74 58.98,24.74 55.94,27.79 42.88,27.79 41.35,26.27 24.19,26.27 22.54,27.92 17.84,27.92 17.07,28.68 13.67,28.68 12.83,27.84 12.83,26.45 12.92,26.36 12.86,26.19 J1.7
  BOTTOM w0.254: v1(63.79,25.66) 63.79,25.63 P1.H28
T_SFP_N: length 38.5
  INNER4 w0.127: v1(41.47,45.55) 41.92,45.55 42.22,45.85 44.33,45.85 44.76,46.28 48.47,46.28 49.06,45.68 49.06,36.03 50.97,34.12 50.97,19.68 51.24,19.55 51.29,19.38 v1(51.07,18.95)
  BOTTOM w0.254: v1(51.07,18.95) 51.03,19 C2.2 ; v1(41.47,45.55) 41.42,45.5 J4.19
T_SFP_P: length 39.3
  INNER4 w0.127: v1(51.76,20.27) 51.54,19.85 51.37,19.8 51.25,19.85 51.25,34.24 49.34,36.15 49.34,45.8 48.58,46.56 44.64,46.56 44.21,46.13 42.22,46.13 41.92,46.43 v1(41.47,46.43)
  BOTTOM w0.254: v1(41.47,46.43) 41.34,46.3 J4.18 ; v1(51.76,20.27) C1.2
UNNAMED_2_CON400P40ABCDEFGHJK_I: length 1.3
  BOTTOM w0.254: P1.D30 P1.D31
UNNAMED_2_PCA9306_I276_EN: length 3.5
  BOTTOM w0.254: 38.85,22.61 39.51,22.61 39.56,22.56 ; 38.85,23.11 39.46,23.11 39.56,23.01 39.56,22.56 ; 39.56,22.56 39.56,22.18 39.44,22.05 39.13,22.05 38.99,21.91 R1.1
UNNAMED_2_PCA9517_I162_EN: length 2.3
  TOP w0.254: R42.1 v1(47.44,36.78)
  BOTTOM w0.254: IC15.5 48.65,36.78 v1(47.44,36.78)
UNNAMED_3_CAPCERSMDCL2_I315_A: length 4
  BOTTOM w0.254: R5.2 C1.1 48.13,19.13 48.12,19.13 48.06,19.06 47.44,19.06 47.43,19.07 47.01,19.07 IC3.10
UNNAMED_3_CAPCERSMDCL2_I316_A: length 3.8
  BOTTOM w0.254: IC3.11 48.43,18.64 48.78,19 C2.1 R6.2
UNNAMED_3_NBSG53A_I298_OLS: length 2.1
  BOTTOM w0.254: IC3.13 46.19,16.82 46.42,16.59 46.8,16.59 46.96,16.43 R3.1
UNNAMED_3_NBSG53A_I298_R: length 1.8
  BOTTOM w0.254: R2.2 44.64,15.94 44.64,16.34 45.19,16.88 IC3.15
UNNAMED_3_NBSG53A_I298_SEL: length 1.6
  BOTTOM w0.254: R4.1 45.76,16.52 45.69,16.59 IC3.14
UNNAMED_3_NBSG53A_I298_VTCLK: length 4.5
  TOP w0.254: v1(42.99,17.76) v1(42.99,20.02)
  BOTTOM w0.254: v1(42.99,17.76) 43.38,18.14 IC3.1 ; v1(42.99,20.02) 43.37,19.64 IC3.4
UNNAMED_3_NBSG53A_I298_VTD: length 4.8
  TOP w0.254: v1(44.26,21.41) v1(46.68,21.41)
  BOTTOM w0.254: v1(46.68,21.41) 46.19,20.93 IC3.8 ; IC3.5 44.69,20.99 v1(44.26,21.41)
UNNAMED_4_CAPCERSMDCL2_I90_B: length 2.2
  TOP w0.254: REG1.4 53.34,7.89 53.39,7.94 C11.2 v1(52.55,8.75)
UNNAMED_4_CAPCERSMDCL2_I119_A: length 2.8
  TOP w0.254: C21.1 22.86,15.26 22.33,15.79 QZ1.4
UNNAMED_4_CAPCERSMDCL2_I120_A: length 1.6
  TOP w0.254: C25.1 QZ1.5
UNNAMED_4_RSMD0402_I16_A: length 3.2
  TOP w0.254: v1(29.15,20.4) 29.72,19.83 R10.1
  BOTTOM w0.254: v1(29.15,20.4) 29.65,20.4 30.41,19.64 IC4.12
UNNAMED_4_RSMD0402_I47_A: length 2.8
  BOTTOM w0.254: R13.1 33.41,10.88 33.41,12.47
UNNAMED_4_RSMD0402_I49_A: length 3.1
  TOP w0.254: R20.1 31.44,20.42 31.56,20.54 v1(31.56,21.03)
  BOTTOM w0.254: v1(31.56,21.03) 31.56,20.65 31.91,20.31 IC4.15
UNNAMED_4_RSMD0402_I50_A: length 2.5
  TOP w0.254: v1(32.33,20.78) 32.58,20.53 R21.1
  BOTTOM w0.254: IC4.16 32.41,20.21 32.33,20.29 v1(32.33,20.78)
UNNAMED_4_RSMD0402_I123_A: length 2.9
  BOTTOM w0.254: 34.41,12.47 34.41,11.79 35.5,10.69 R26.1
UNNAMED_4_SI5344_I110_INTR: length 5.8
  BOTTOM w0.254: TP9.1 40.07,12.27 37.66,12.27 37.28,12.65 37.28,13.17 37.03,13.42 IC4.33
UNNAMED_4_SI5344_I110_LOL: length 6.9
  BOTTOM w0.254: IC4.27 37.97,16.42 38.04,16.49 38.85,16.49 38.94,16.39 39.42,16.39 39.76,16.73 39.76,16.74 40.96,17.94 TP10.1
UNNAMED_4_SI5344_I110_LOSXAXB: length 4.9
  BOTTOM w0.254: IC4.28 38.04,15.92 38.2,16.08 38.68,16.08 38.78,15.98 39.59,15.98 39.69,16.08 39.69,16.08 39.95,16.34 TP11.1
UNNAMED_5_74LCX04_I304_Y: length 6.9
  BOTTOM w0.254: R47.1 24.22,62.15 26.23,62.15 ; 26.23,62.15 26.23,61.04 26.42,60.85 IC9.10 ; 26.23,62.15 IC9.12
UNNAMED_5_74LCX04_I317_A: length 25.8
  BOTTOM w0.254: 32.45,63.45 32.45,62.44 32.74,62.15 IC9.3 ; 32.45,63.45 32.45,64.47 34.99,67.01 45.66,67.01 47.95,64.72 IC8.7 ; 32.45,63.45 IC9.1
UNNAMED_5_74LCX04_I317_Y: length 7.5
  BOTTOM w0.254: R49.1 36.52,64.59 36.01,64.09 36.01,63.2 35.61,62.8 ; IC9.4 35.33,61.5 35.63,61.8 35.63,62.79 35.61,62.8 ; 35.61,62.8 IC9.2
UNNAMED_5_74LCX04_I323_A: length 24.3
  BOTTOM w0.254: IC8.6 48.07,63.45 46.93,62.31 37.41,62.31 35.95,60.85 IC9.5 31.38,60.85 30.73,60.2 IC9.9
UNNAMED_5_74LCX04_I323_Y: length 9.8
  BOTTOM w0.254: IC9.8 30.84,59.55 31.49,60.2 IC9.6 35.83,60.2 36.14,59.9 R48.1
UNNAMED_5_ADCMP604_I256_: length 5.2
  BOTTOM w0.254: R32.1 32.65,1.84 32.59,1.89 IC5.4 33.34,2.71 33.36,2.69 C51.2 ; C51.2 R44.1 ; C51.2 R33.2
UNNAMED_5_ADCMP604_I256__1: length 2.5
  BOTTOM w0.254: C50.2 34.56,4.91 34.5,4.85 R44.2 33.36,4.85 33.32,4.81 IC5.3
UNNAMED_5_ADCMP604_I285_: length 4.1
  BOTTOM w0.254: R36.2 C52.2 54.91,60.73 54.97,60.78 R35.1 55.75,60.29 55.93,60.11 IC6.4
UNNAMED_5_ADCMP604_I294_: length 5.2
  TOP w0.254: v1(56.31,54.42) 56.31,53.8 56.26,53.75 R37.1
  BOTTOM w0.254: R38.2 C53.2 55.83,52.84 IC7.4 v1(56.31,54.42)
UNNAMED_5_PCOAX_I312_A: length 2.2
  TOP w0.254: PX4.1 v1(21.66,62.18)
  BOTTOM w0.254: R47.2 v1(21.66,62.18)
UNNAMED_5_PCOAX_I315_A: length 2.4
  TOP w0.254: v1(40.07,64.59) PX6.1
  BOTTOM w0.254: R49.2 v1(40.07,64.59)
UNNAMED_5_PCOAX_I321_A: length 2.4
  TOP w0.254: PX5.1 v1(40.2,59.9)
  BOTTOM w0.254: R48.2 v1(40.2,59.9)
UNNAMED_11_ADN2814_I23_CF1: length 2.1
  BOTTOM w0.254: C39.1 25.72,27.12 26.29,27.69 IC12.15
UNNAMED_11_ADN2814_I23_CF2: length 4.3
  BOTTOM w0.254: IC12.14 26.79,25.28 26.48,24.97 25.73,24.97 C39.2
UNNAMED_11_ADN2814_I23_DATAOUTN: length 3.3
  BOTTOM w0.254: R53.1 28.67,35.92 27.29,34.55 IC12.28
UNNAMED_11_ADN2814_I23_DATAOUTP: length 4.8
  BOTTOM w0.254: R52.1 30.42,35.27 30.15,35 28.39,35 27.79,34.41 IC12.29
UNNAMED_11_ADN2814_I23_SADDRS: length 4.3
  TOP w0.254: R57.1 23.5,30.37 v1(23.05,29.92)
  BOTTOM w0.254: IC12.19 23.76,30.08 23.61,29.92 v1(23.05,29.92)
UNNAMED_11_ADN2814_I23_SQUELCH: length 2.7
  BOTTOM w0.254: IC12.27 26.79,35.06 27.02,35.28 R12.1
UNNAMED_11_ADN2814_I23_THRADJ: length 3.5
  BOTTOM w0.254: C42.2 28.28,26.57 28.48,26.36 R34.2 29.17,27.01 29.29,27.13 IC12.9
UNNAMED_11_ADN2814_I23_VREF: length 4.1
  BOTTOM w0.254: IC12.3 30.93,31.58 31.56,32.21 31.56,32.84 31.94,33.23 C38.2
UNNAMED_11_CON20PSFP_I175_MODDE: length 3.9
  TOP w0.254: 32.14,48.72 33.34,48.72 v1(33.72,49.1)
  BOTTOM w0.254: J4.6 v1(33.72,49.1)
UNNAMED_11_CON20PSFP_I175_RATES: length 3.2
  TOP w0.254: v1(33.47,49.99) 32.14,49.99
  BOTTOM w0.254: v1(33.47,49.99) 33.38,49.9 J4.7
UNNAMED_11_CON20PSFP_I175_VCCR: length 7.7
  TOP w0.254: L1.1 37.49,51.16 37.64,51.01 38.05,51.01 C64.2 38.43,49.79 38.04,49.4 v1(38.04,48.85) 38.99,48.85 C63.2
  BOTTOM w0.254: J4.15 38.19,48.7 v1(38.04,48.85)
UNNAMED_11_CON20PSFP_I175_VCCT: length 8.4
  TOP w0.254: v1(42.49,46.81) 42.09,47.21 41.21,47.21 40.71,47.7 C62.2 39.98,47.7 L2.2
  BOTTOM w0.254: J4.16 40.64,47.9 40.91,47.63 40.92,47.63 41.08,47.47 41.08,47.46 41.17,47.37 41.17,47.13 41.25,47.05 41.69,47.05 41.93,46.81 v1(42.49,46.81)
UNNAMED_11_CON20PSFP_I175_VEER: length 3.9
  TOP w0.254: 32.14,52.53 v1(33.47,52.53)
  BOTTOM w0.254: v1(33.47,52.53) 33.08,52.14 33.08,51.72 32.85,51.5 J4.9
UNNAMED_11_LED1_I225_A: length 1.8
  TOP w0.254: v1(46.3,50.88) LD1.1
  BOTTOM w0.254: R50.1 v1(46.3,50.88)
UNNAMED_11_LED1_I226_A: length 1.8
  TOP w0.254: LD2.1 v1(44.39,51.01)
  BOTTOM w0.254: R51.1 v1(44.39,51.01)
UNNAMED_11_LED1_I227_A: length 1.8
  TOP w0.254: LD3.1 v1(47.82,50.88)
  BOTTOM w0.254: v1(47.82,50.88) R56.1
UNNAMED_11_RSMD0402_I232_B: length 1.5
  BOTTOM w0.254: R50.2 46.3,48.69 45.96,48.35 IC11.6

## Copper pours and planes (outline as drawn; the poured copper is in the pictures)
GND on L2PWR: 22.84,0.64 22.84,1.6 22.36,2.76 21.2,3.24 12.14,3.24 12.14,3.7 11.66,4.86 10.5,5.34 0.64,5.34 0.64,19.26 9.72,19.26 9.72,25.73 0.64,25.73 0.64,65.06 26.1,65.06 27.26,65.54 27.74,66.7 27.74,68.36 75.86,68.36 75.86,2.37 68.9,2.37 68.9,0.76 68.77,0.64
P1V8 on L3PWR: 33.72,7.06 33.72,9.35 32.45,10.62 32.45,11.64 33.09,12.27 34.74,12.27 35.5,11.51 35.5,10.62 36.14,9.98 38.17,9.98 38.93,10.75 38.93,11.51 38.68,11.76 37.41,11.76 37.15,12.02 37.15,13.16 37.66,13.67 37.91,13.67 38.42,13.16 39.06,13.16 39.82,13.92 39.82,16.46 39.69,17.61 37.41,20.02 34.1,23.32 33.34,23.32 33.09,23.07 29.28,23.07 29.15,23.19 29.15,23.83 31.06,25.73 37.15,25.73 38.29,24.59 38.29,21.67 42.74,17.22 42.74,8.46 44.39,6.81 52.39,6.81 53.03,6.17 53.03,4.14 52.52,3.63 37.15,3.63
P3V3 on L3PWR: 22.84,0.64 22.84,1.6 22.36,2.76 21.2,3.24 12.14,3.24 12.14,3.7 11.66,4.86 10.5,5.34 0.64,5.34 0.64,12 0.63,19.26 9.72,19.26 9.72,25.73 0.63,25.73 0.64,42.1 0.63,42.11 0.64,65.06 26.1,65.06 27.26,65.54 27.74,66.7 27.74,68.36 75.86,68.36 75.86,2.37 68.9,2.37 68.9,0.64 ; 3 cut-outs
CVCC on L3PWR: 62.04,7.57 64.84,7.57 65.73,8.46 65.73,45.16 65.09,45.8 49.98,45.8 49.85,45.67 49.72,45.67 49.09,46.31 46.04,46.31 45.79,46.56 45.79,48.09 46.42,48.72 46.42,49.61 45.53,50.5 44.64,50.5 42.87,48.72 42.87,43.39 45.03,41.23 48.84,41.23 49.22,41.61 49.22,42.75 50.11,43.64 51.12,43.64 52.14,42.62 52.14,40.34 39.18,27.38 29.53,27.38 28.01,25.86 28.01,22.68 28.52,22.18 34.36,22.18 34.48,22.3 34.48,22.81 34.1,23.19 33.47,23.19 33.21,22.94 29.15,22.94 29.02,23.07 29.02,23.95 30.93,25.86 37.28,25.86 38.42,24.72 38.42,21.8 40.45,19.76 44.64,19.76 46.55,21.67 49.72,21.67 52.39,19 52.39,13.67 56.46,9.6 60.01,9.6

## Text on the board
BOTTOM: 6
Ref Des/Silkscreen Bottom: EDA-02319-V3 | TTC_FMC
TOP: 1
Ref Des/Silkscreen Top: PROTODUNE | Cussans, P. Baesso
L2PWR: 2
L3GND: 3
INNER4: 4
L3PWR: 5
PAGE_OUTLINE: 4
User.9: GROUND PLANE | 3
User.45: Figure | Dia. | 0.30 | 0.40 | 0.70 | 0.80 | 0.85 | 0.95 | 1.00 | 1.05 | 2.50 | 2.70 | 1.30 | 1.40 | Metric Drill Legend TOP to BOTTOM | Drill sizes are considered finished. | ALL UNITS ARE IN MILLIMETERS | Tol. | +0.05/-0.05 | TYPE | PLATED | NON-PLATED | QTY | 169 | 175 | 4 | 12 | 1 | 9 | 21 | 6 | 10 | 2 | 417 | TOTAL HOLES:
